# Altium PCB Matrix.PcbDoc (part 4 of 4)
Units mm, origin at the board's own origin, x right, y up, seen from the top; angles counter-clockwise.
Board outline 198.9 x 200.83 mm, 2 copper layers (Top Layer, Bottom Layer), stack 1.55 mm thick; 406 components, 231 nets, 2159 pads, 789 vias.
Unrouted connection lines stored in the file: 16.
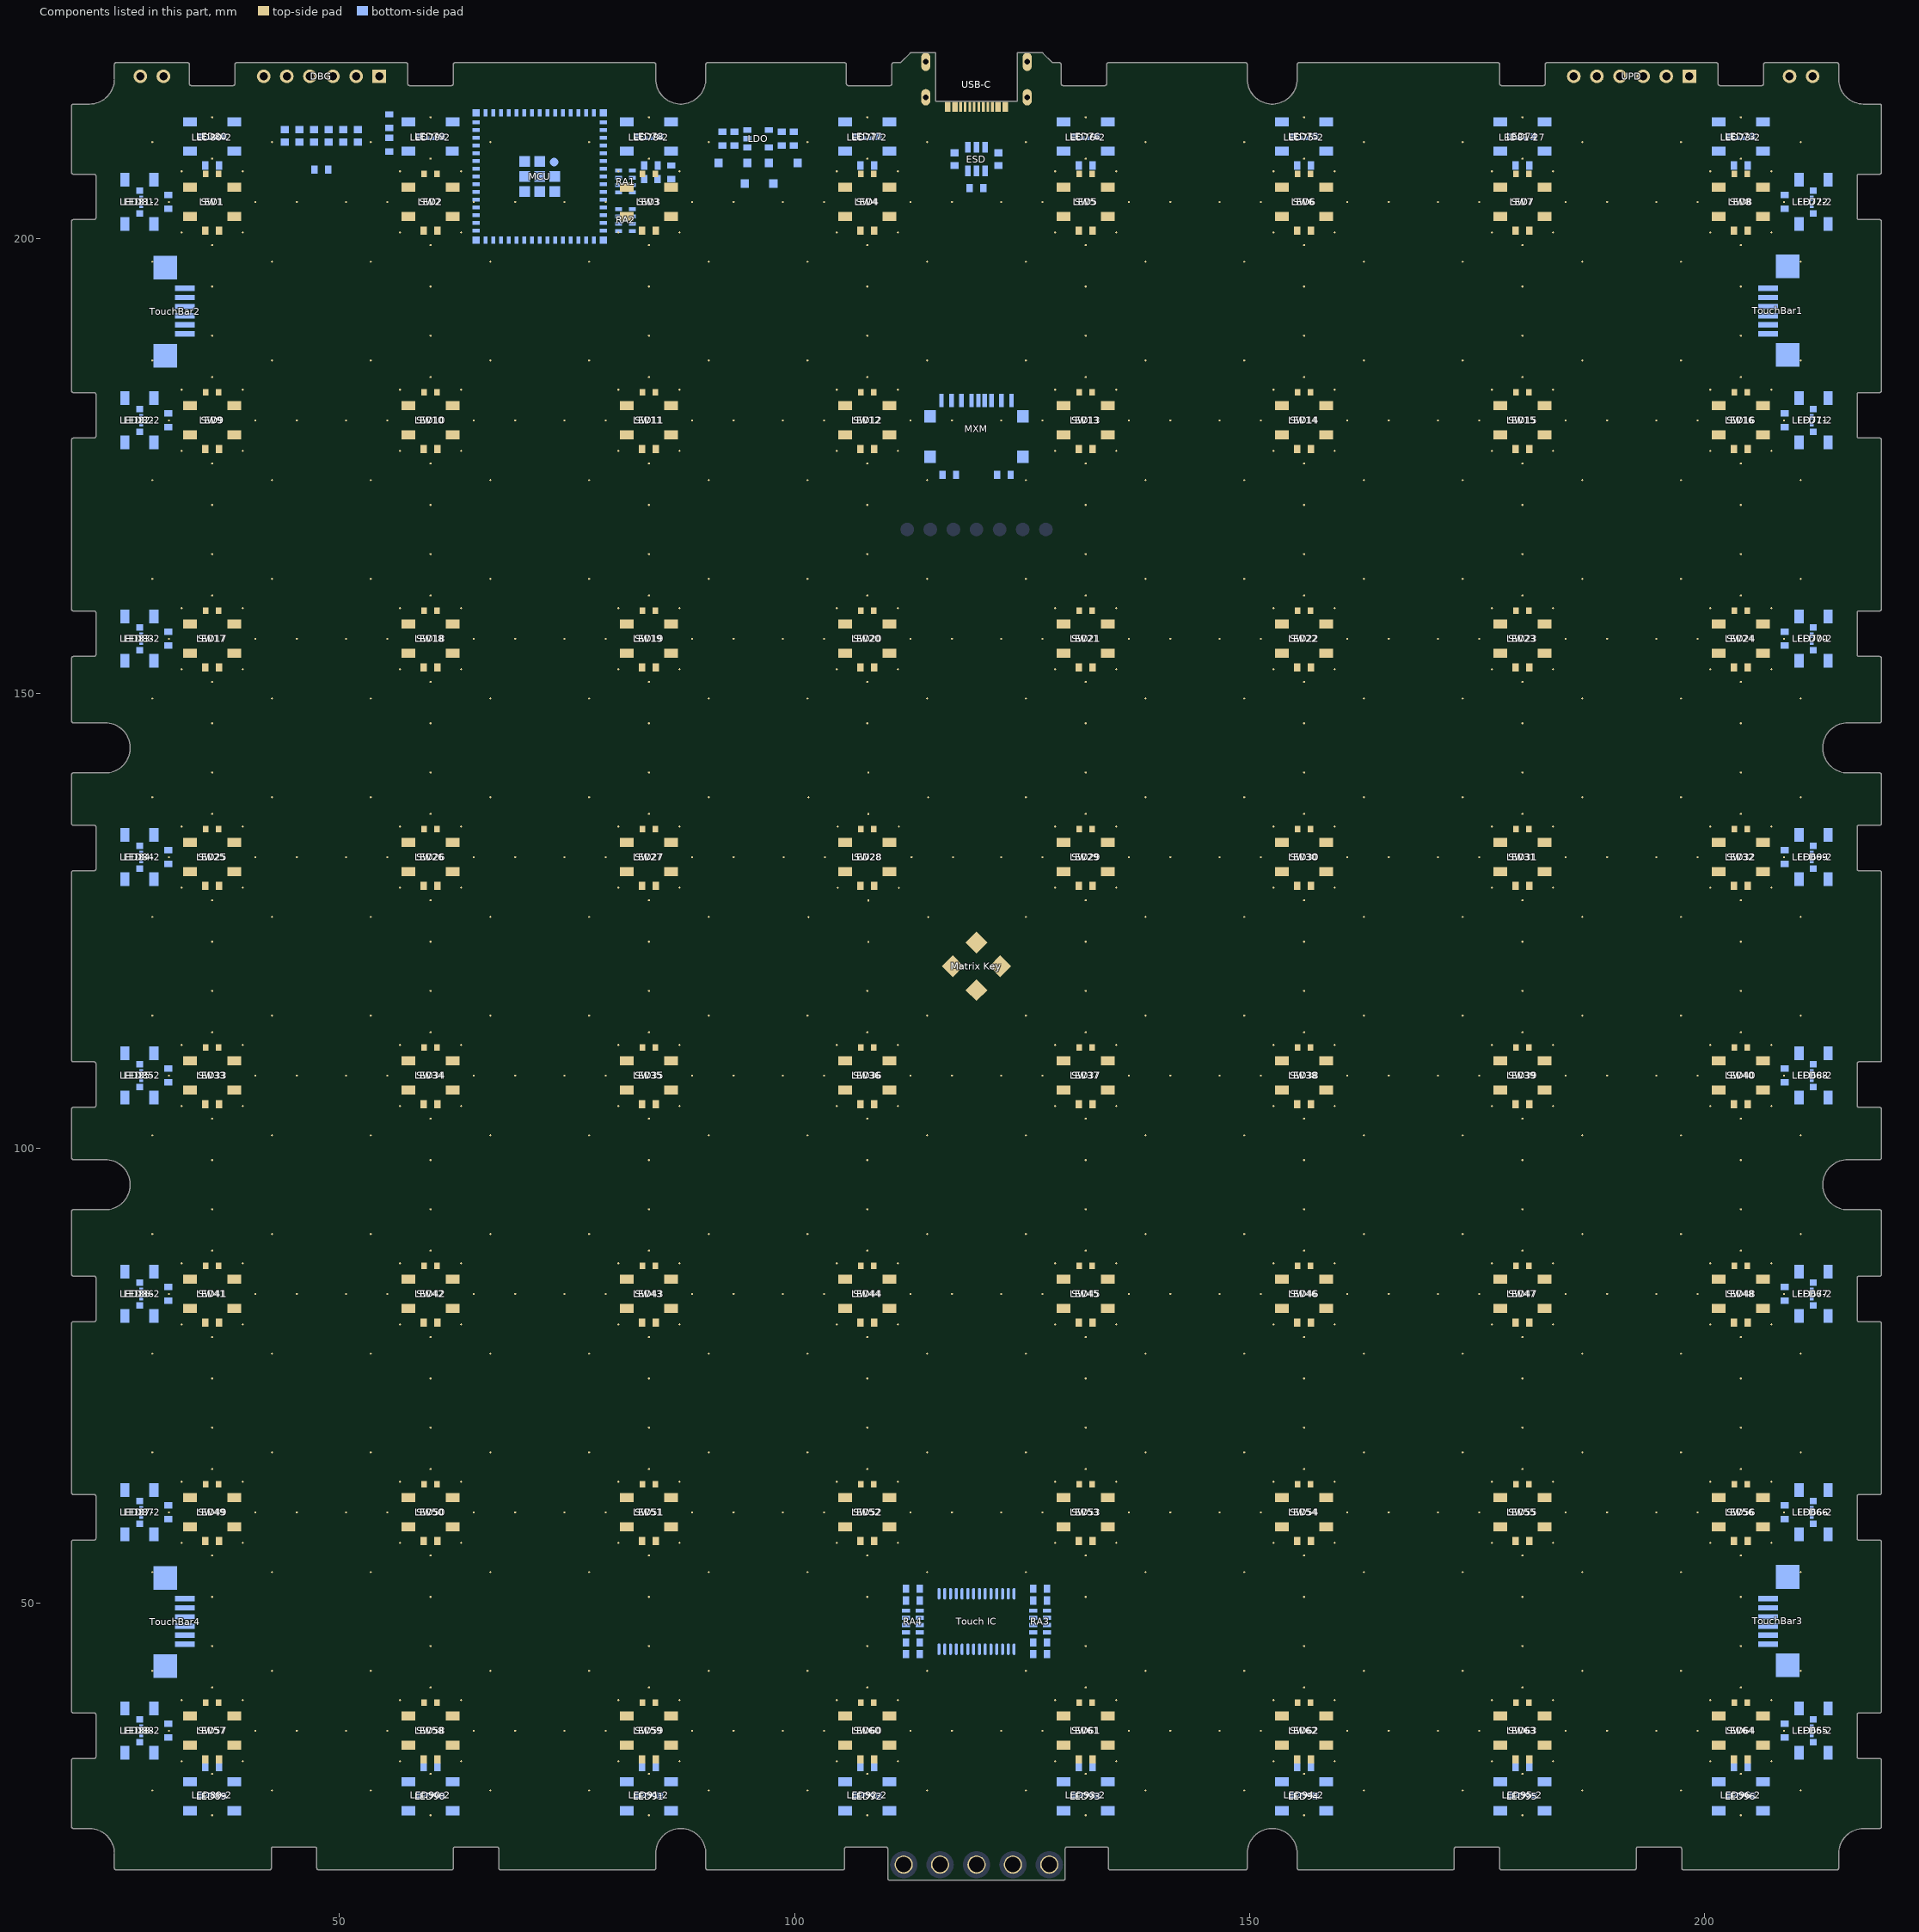
[diagram p4: the components of this part, seen from the top]

## Other copper
Top Layer:
  region net VBUS: 145.5,31.04 145.5,209.25 139.299,215.451 136.839,215.451 136.556,213.944 142.5,208 142.5,32 136.272,25.728 136.384,23.909 138.382,23.943
  pour cut-out: 84.75,219.3 84.75,214.3 62.915,214.3 62.5,214.3 62.5,214.785 62.5,219.529
  region net VSYS: 97.5,32 97.5,209.111 94.5,209.111 94.5,32
Bottom Layer:
  rectangle net VBUS: 142.5,167 145.5,169
  rectangle net VSYS: 94.5,167 97.5,169
  region net VSYS: 94.326,209.087 94.326,207.437 97.67,207.437 97.67,209.107
  pour cut-out: 84.75,219.3 84.75,214.3 62.915,214.3 62.5,214.3 62.5,214.785 62.5,219.529
  text "2023-2" at 101.212,217.229 h1.14
  text "REV C3" at 145.262,217.229 h1.14
  text "MATRIX BLOCK 6" at 174.096,217.229 h1.14
  text "46" at 28.575,215.206 h0.76
  text "45" at 31.575,215.206 h0.76
  text "VCC" at 42.436,215.206 h0.76
  text "DO" at 47.374,215.206 h0.76
  text "DI" at 49.787,215.206 h0.76
  text "MS" at 52.251,215.206 h0.76
  text "GND" at 55.501,215.206 h0.76
  text "VCC" at 186.516,215.206 h0.76
  text "RST" at 189.395,215.206 h0.76
  text "TX" at 191.554,215.206 h0.76
  text "RX" at 193.647,215.206 h0.76
  text "BOOT" at 197.197,215.206 h0.76
  text "GND" at 199.916,215.206 h0.76
  text "SCL" at 210.371,215.206 h0.76
  text "SDA" at 212.911,215.206 h0.76
  text "CK" at 44.834,215.187 h0.76
  text "Project Matrix  EST.2016" at 132.329,73.602 h3
  text "Thank you for being part of our jounery" at 140.786,70.014 h3

## Silkscreen, mask and mechanical layers (free items; w line width, h text height)
Top Overlay:
  lines w0.254: 118.346,120.821 118.763,121.237 119.179,121.654 ; 120.821,118.346 121.237,118.763 121.654,119.179
Bottom Overlay:
  lines w0.254: 112.38,166.73 cw(c112.38,168) 112.38,169.27 127.62,169.27 cw(c127.62,168) 127.62,166.73 112.38,166.73
  text "Battery" at 122.412,170.181 h0.76
  text "Matrix Mod" at 123.555,23.627 h0.76
Bottom Solder:
  rectangle: 119.55,181.333 121.55,183.037
  region: 122.494,125.297 cw(c122.489,125.302) 122.489,125.295 122.404,125.295 117.517,121.919 117.517,118.143 cw(c117.511,118.143) 117.515,118.138 117.124,117.747 cw(c117.119,117.751) 117.112,117.751 117.112,125.694 cw(c117.119,125.694) 117.119,125.7 122.881,125.7 cw(c122.881,125.694) 122.886,125.689
  region: 122.888,117.751 122.888,125.694 ccw(c122.881,125.694) 122.876,125.698 122.485,125.307 ccw(c122.489,125.302) 122.483,125.302 122.483,121.526 117.596,118.15 117.511,118.15 ccw(c117.511,118.143) 117.506,118.148 117.114,117.756 ccw(c117.119,117.751) 117.112,117.751 ccw(c117.119,117.751) 117.119,117.745 122.881,117.745 ccw(c122.881,117.751)
  region: 115.925,117.749 115.923,118.14 110.546,118.114 114.402,121.693 110.55,125.288 116.02,125.315 116.018,125.707 110.145,125.678 110.145,117.758 110.152,117.758 110.152,117.72
  region: 129.931,117.768 129.745,118.024 129.763,118.037 126.181,123.09 129.639,125.675 124.349,125.675 124.338,125.691 124.317,125.675 123.812,125.675 125.864,122.853 125.868,122.856 127.614,120.392 124.104,117.768
  lines w0.013: 117.373,116.189 117.46,116.189 117.373,116.189
  text "E L E C T R O N I C S" at 130.889,114.391 h3
Mechanical 1:
  drawing of 355 lines, arcs and shapes, not listed
Bottom Keepout:
  drawing of 311 lines, arcs and shapes, not listed
Mechanical 10:
  lines w0.253: 106.092,180 110.438,180 111.319,180.881
  lines w0.254: 25.64,198.596 25.64,208.563 30.437,213.361 ; 26.17,198.759 26.17,208.342 31.028,213.2 31.108,213.281 ; 31.15,35.98 33.024,35.98 ; 31.15,59.98 33.024,59.98 ; 31.15,83.98 33.024,83.98 ; 31.15,107.98 33.024,107.98 ; 31.15,131.98 33.024,131.98 ; 31.15,155.98 33.024,155.98 ; 31.15,179.98 32.994,179.98 ; 31.15,203.984 34.664,203.97 ; 31.907,202.686 34.487,202.666 ; 32.019,204.551 34.664,204.551 ; 35.081,35.98 37.9,35.98 ; 35.081,59.98 37.9,59.98 ; 35.081,83.98 37.9,83.98 ; 35.081,107.98 37.9,107.98 ; 35.081,131.98 37.9,131.98 ; 35.081,155.98 37.9,155.98 ; 35.081,179.98 37.9,179.98 ; 35.836,204 37.9,204.01 ; 35.836,204.541 37.37,204.551 ; 35.836,204.551 37.37,204.561 ; 58.092,36 61.9,36 ; 58.092,60 61.9,60 ; 58.092,84 61.9,84 ; 58.092,108 61.9,108 ; 58.092,132 61.9,132 ; 58.092,156 61.9,156 ; 58.092,180 61.9,180 ; 58.092,203.98 63.642,203.98 ; 61.239,204.55 63.439,204.55 ; 82.092,36 85.9,36 ; 82.092,60 85.9,60 ; 82.092,84 85.9,84 ; 82.092,108 85.9,108 ; 82.092,132 85.9,132 ; 82.092,156 85.9,156 ; 82.092,180 85.9,180 ; 106.092,36 109.9,36 ; 106.092,60 109.9,60 ; 106.092,84 109.9,84 ; 106.092,108 109.9,108 ; 106.092,132 109.9,132 ; 106.092,156 109.9,156 ; 106.092,204 109.9,204 ; 130.092,36 133.9,36 ; 130.092,60 133.9,60 ; 130.092,84 133.9,84 ; 130.092,108 133.9,108 ; 130.092,132 133.9,132 ; 130.092,156 133.9,156 ; 130.092,180 133.9,180 ; 130.092,204 133.9,204 ; 154.092,156 154.092,156 157.9,156 ; 154.092,36 157.9,36 ; 154.092,60 157.9,60 ; 154.092,84 157.9,84 ; 154.092,108 157.9,108 ; 154.092,132 157.9,132 ; 154.092,180 157.9,180 ; 154.092,204 157.9,204 ; 178.092,36 181.9,36 ; 178.092,60 181.9,60 ; 178.092,84 181.9,84 ; 178.092,108 181.9,108 ; 178.092,132 181.9,132 ; 178.092,156 181.9,156 ; 178.092,180 181.9,180 ; 178.092,204 181.9,204 ; 202.092,36 204.573,36 ; 202.092,60 204.573,60 ; 202.092,84 204.573,84 ; 202.092,108 204.573,108 ; 202.092,132 204.573,132 ; 202.092,156 204.573,156 ; 202.092,180 204.573,180 ; 202.092,204 204.573,204 ; 206.976,60.02 208.85,60.02 ; 206.976,84.02 208.85,84.02 ; 206.976,108.02 208.85,108.02 ; 206.976,132.02 208.85,132.02 ; 206.976,156.02 208.85,156.02 ; 206.976,180.02 208.85,180.02 ; 206.976,204.02 208.85,204.02
  lines w0.508: 61.496,203.326 63.496,203.326
Mechanical 13:
  drawing of 1842 lines, arcs and shapes, not listed